# Altium PCB 2m_DBoard_TX.PcbDoc (part 1 of 5)
Units mm, origin at the board's own origin, x right, y up, seen from the top; angles counter-clockwise.
Board outline 63.5 x 139.7 mm, 12 copper layers (Top RF, AGND, Inner RF, AGND 2, AVDD, AVDD 2, DVDD 2, DVDD, GND 2, Signal, GND, Bottom Layer), stack 2.626 mm thick; 263 components, 212 nets, 1246 pads, 1554 vias.
Unrouted connection lines stored in the file: 414.
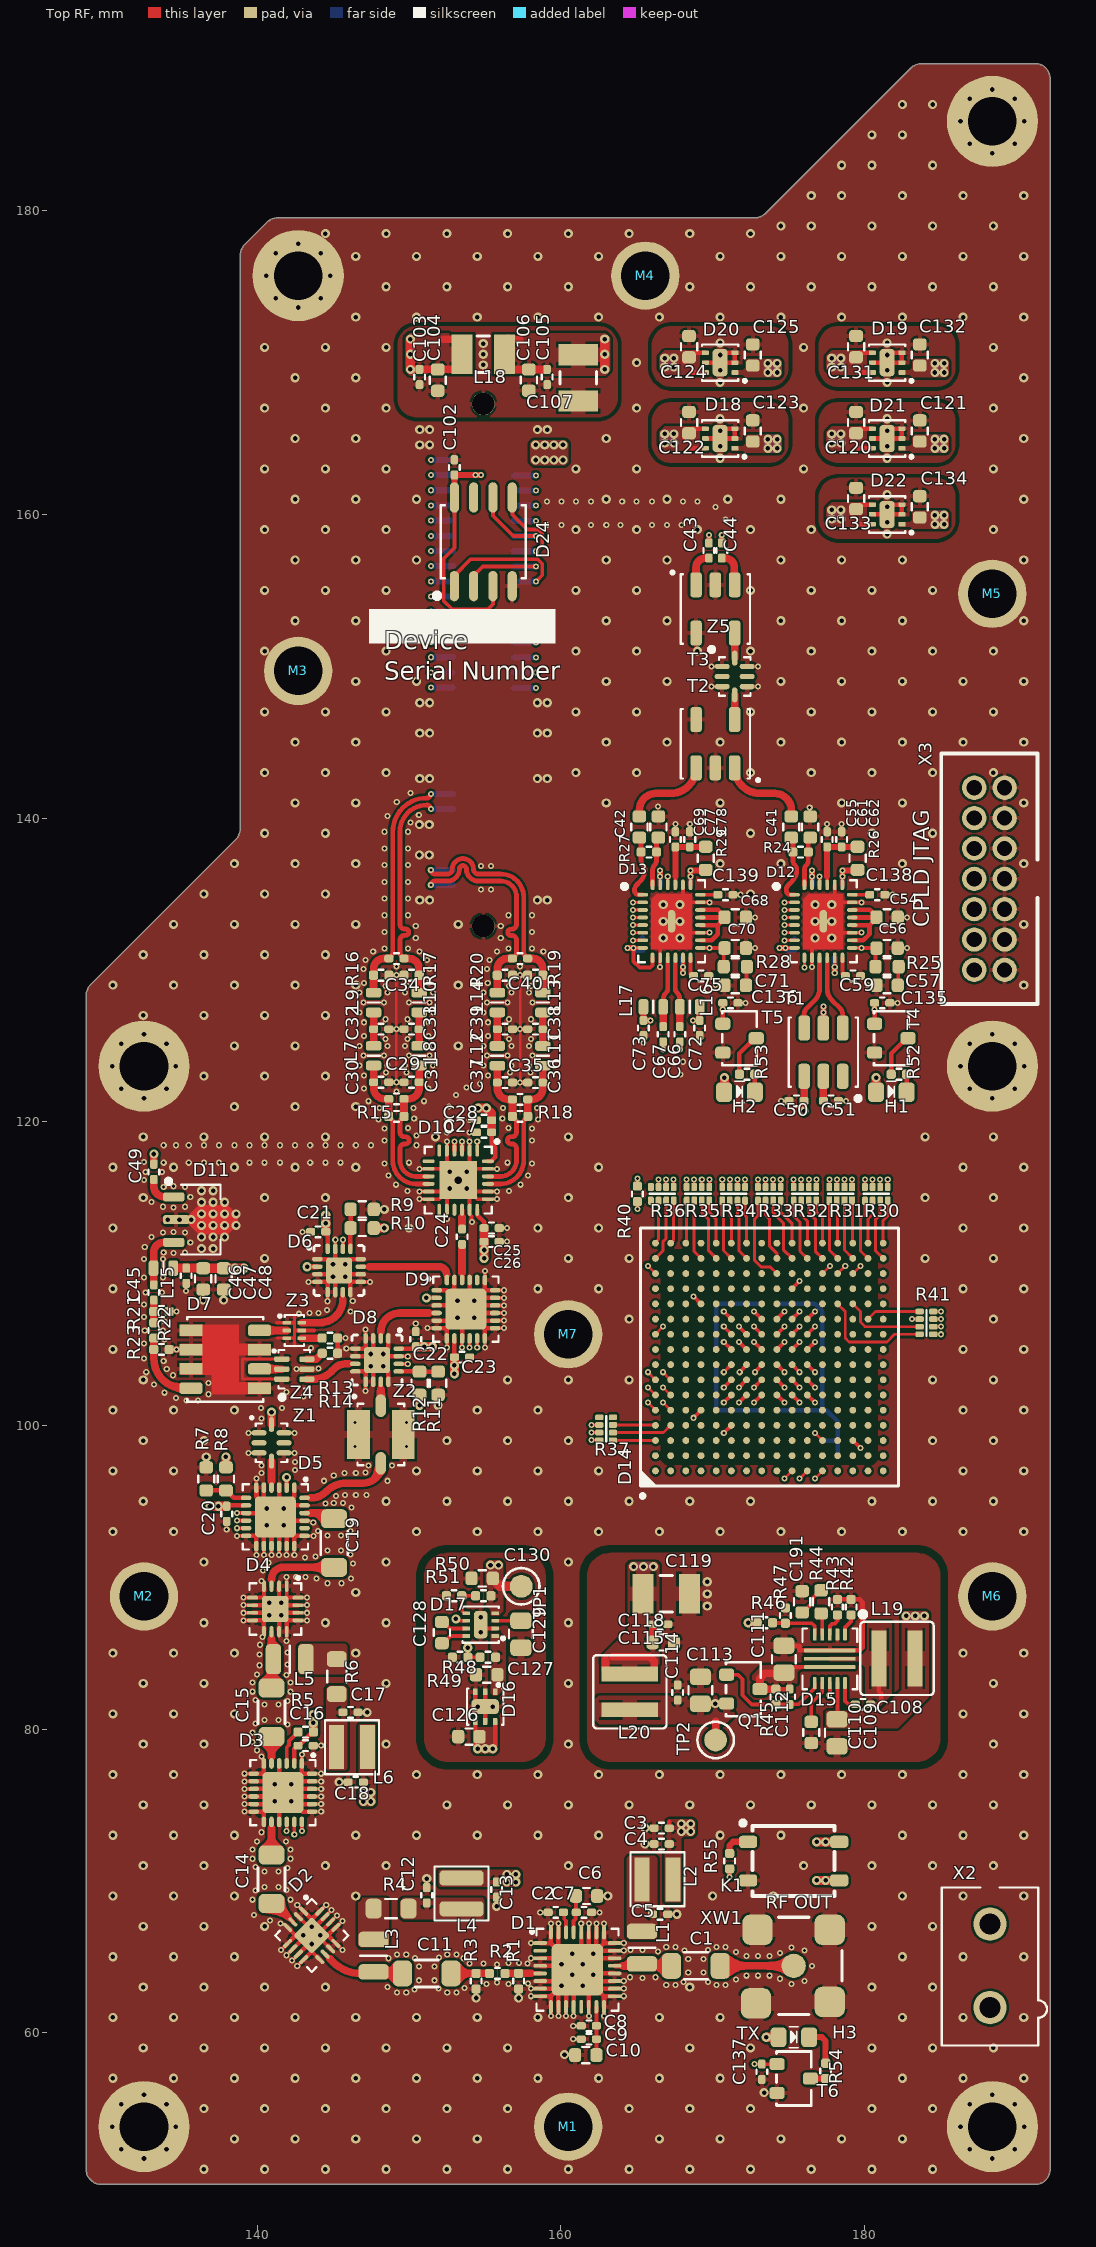
[diagram p0: Top RF view]
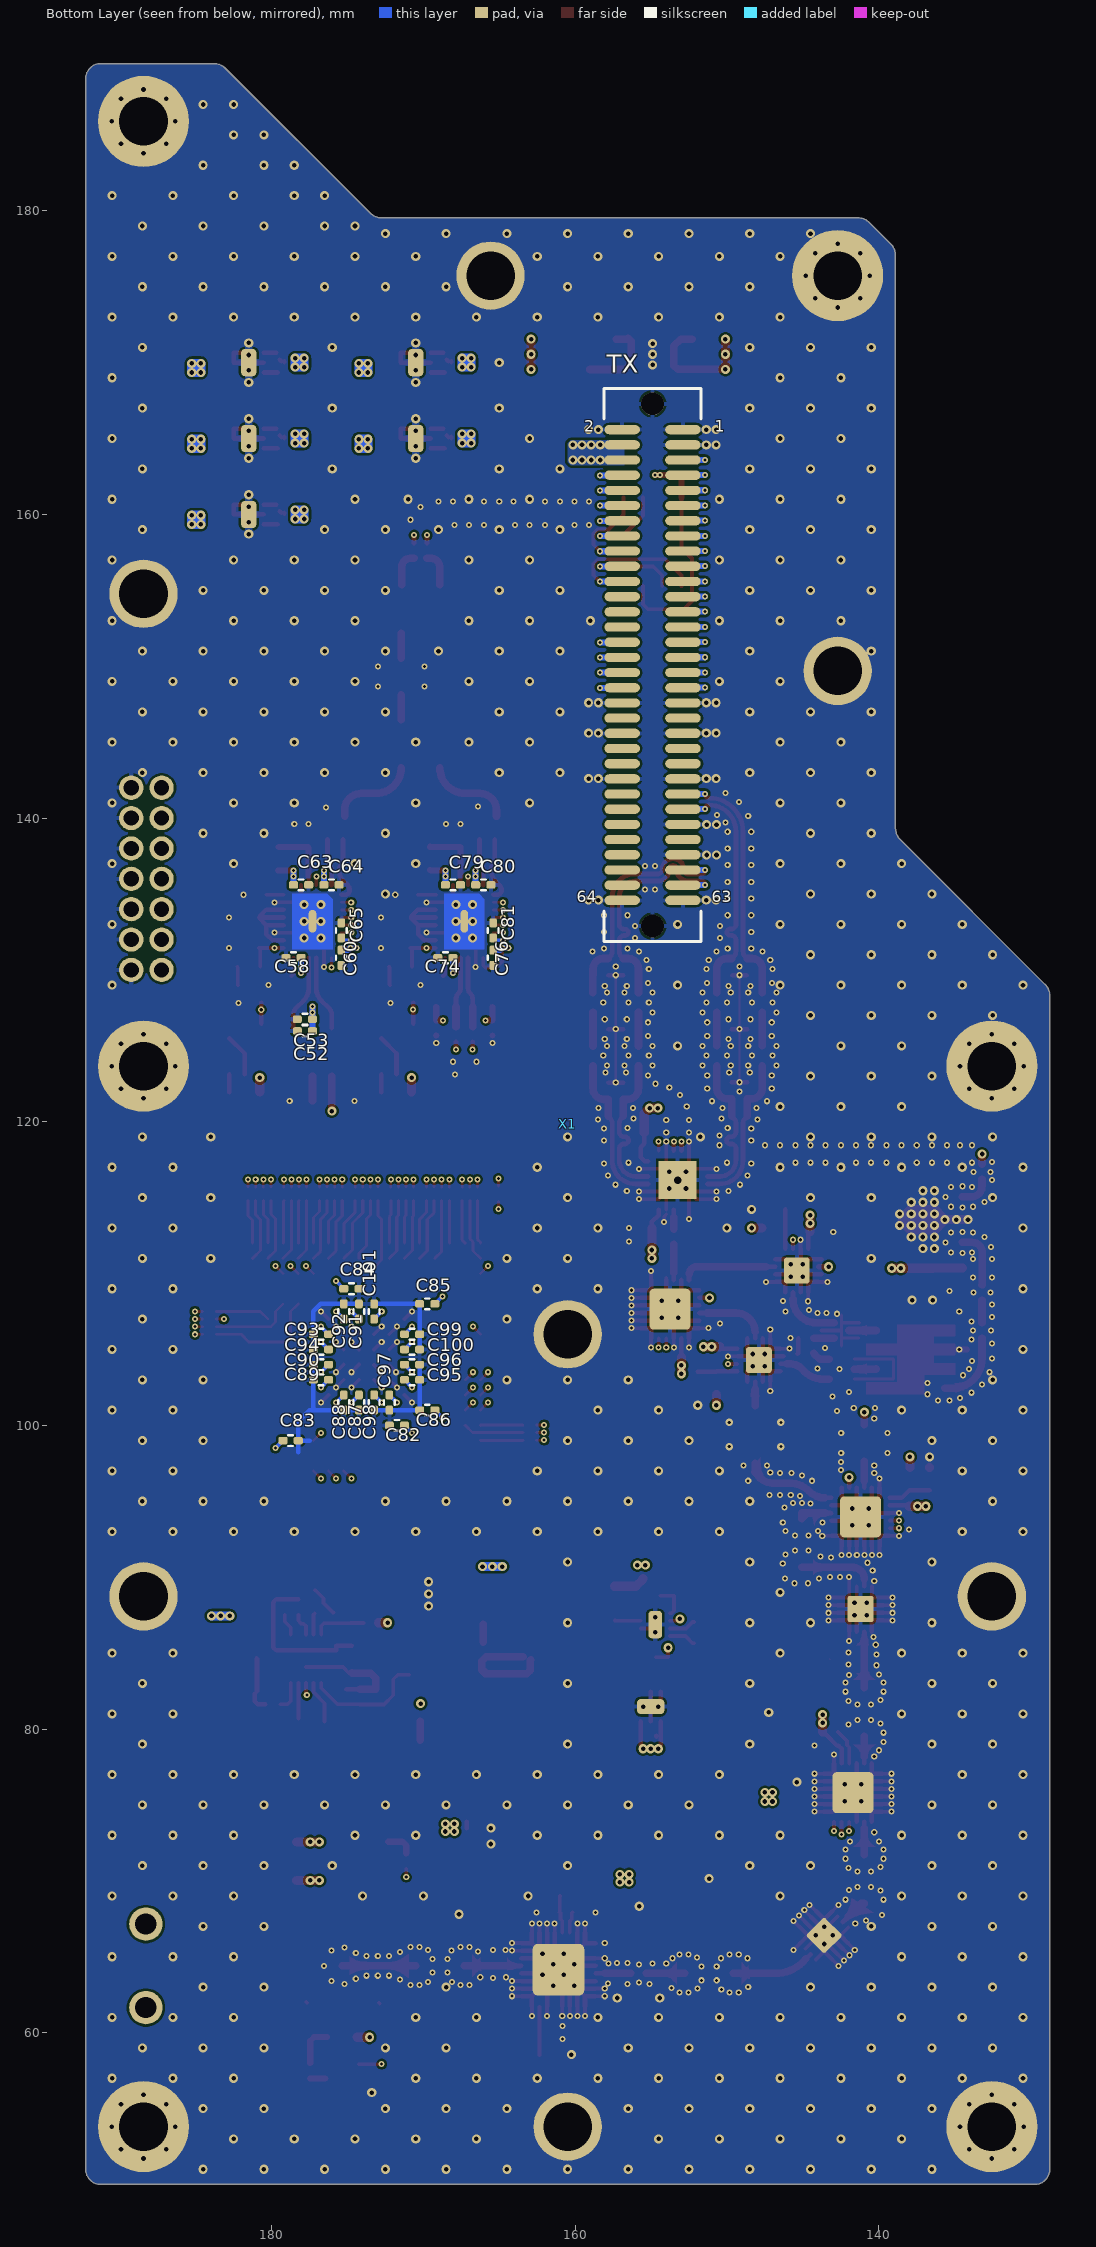
[diagram p1: Bottom Layer view, seen from below]
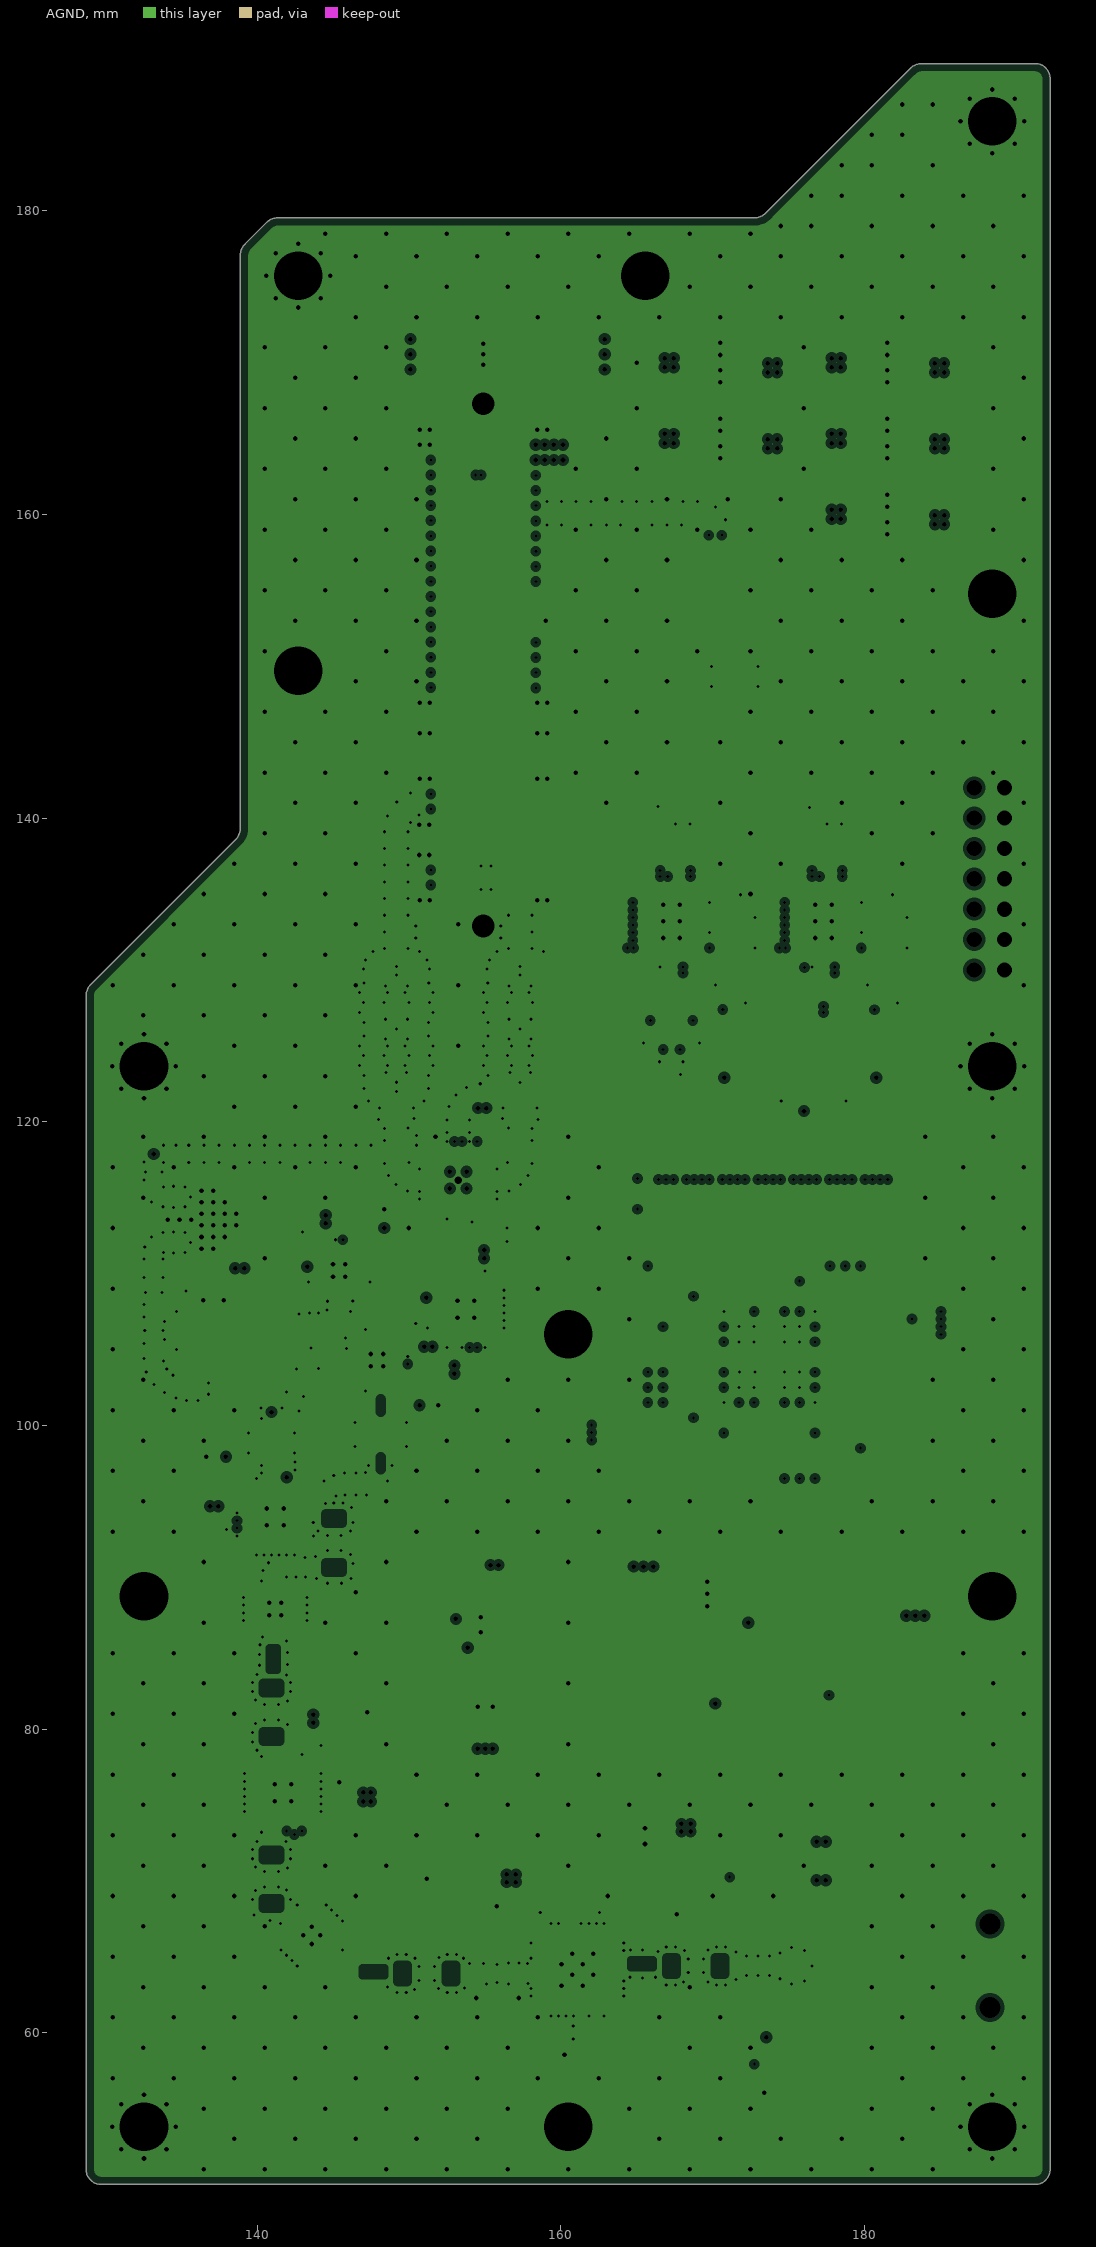
[diagram p2: AGND, clearances drawn from the general rule]
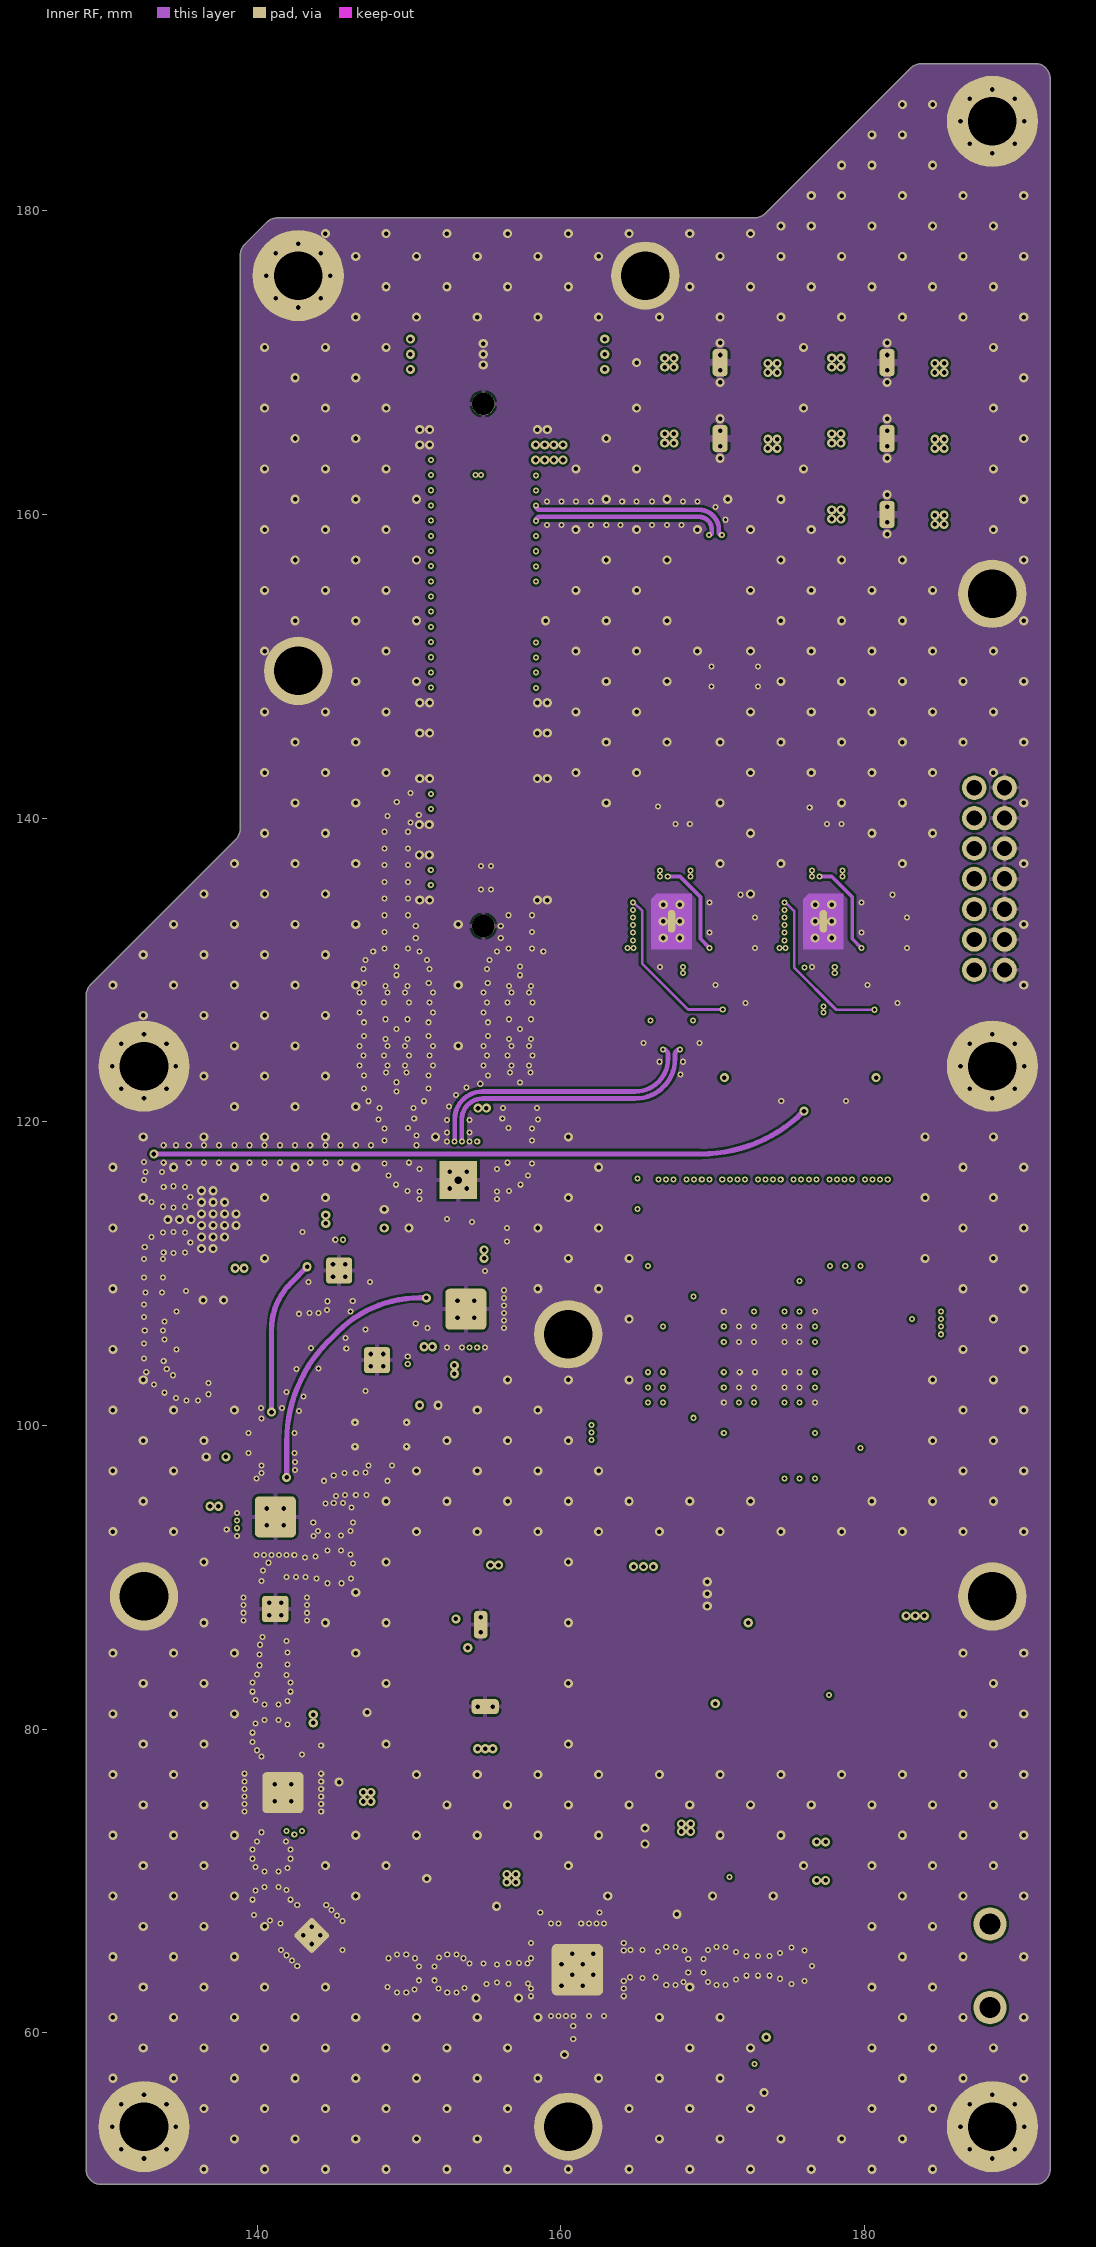
[diagram p3: Inner RF]
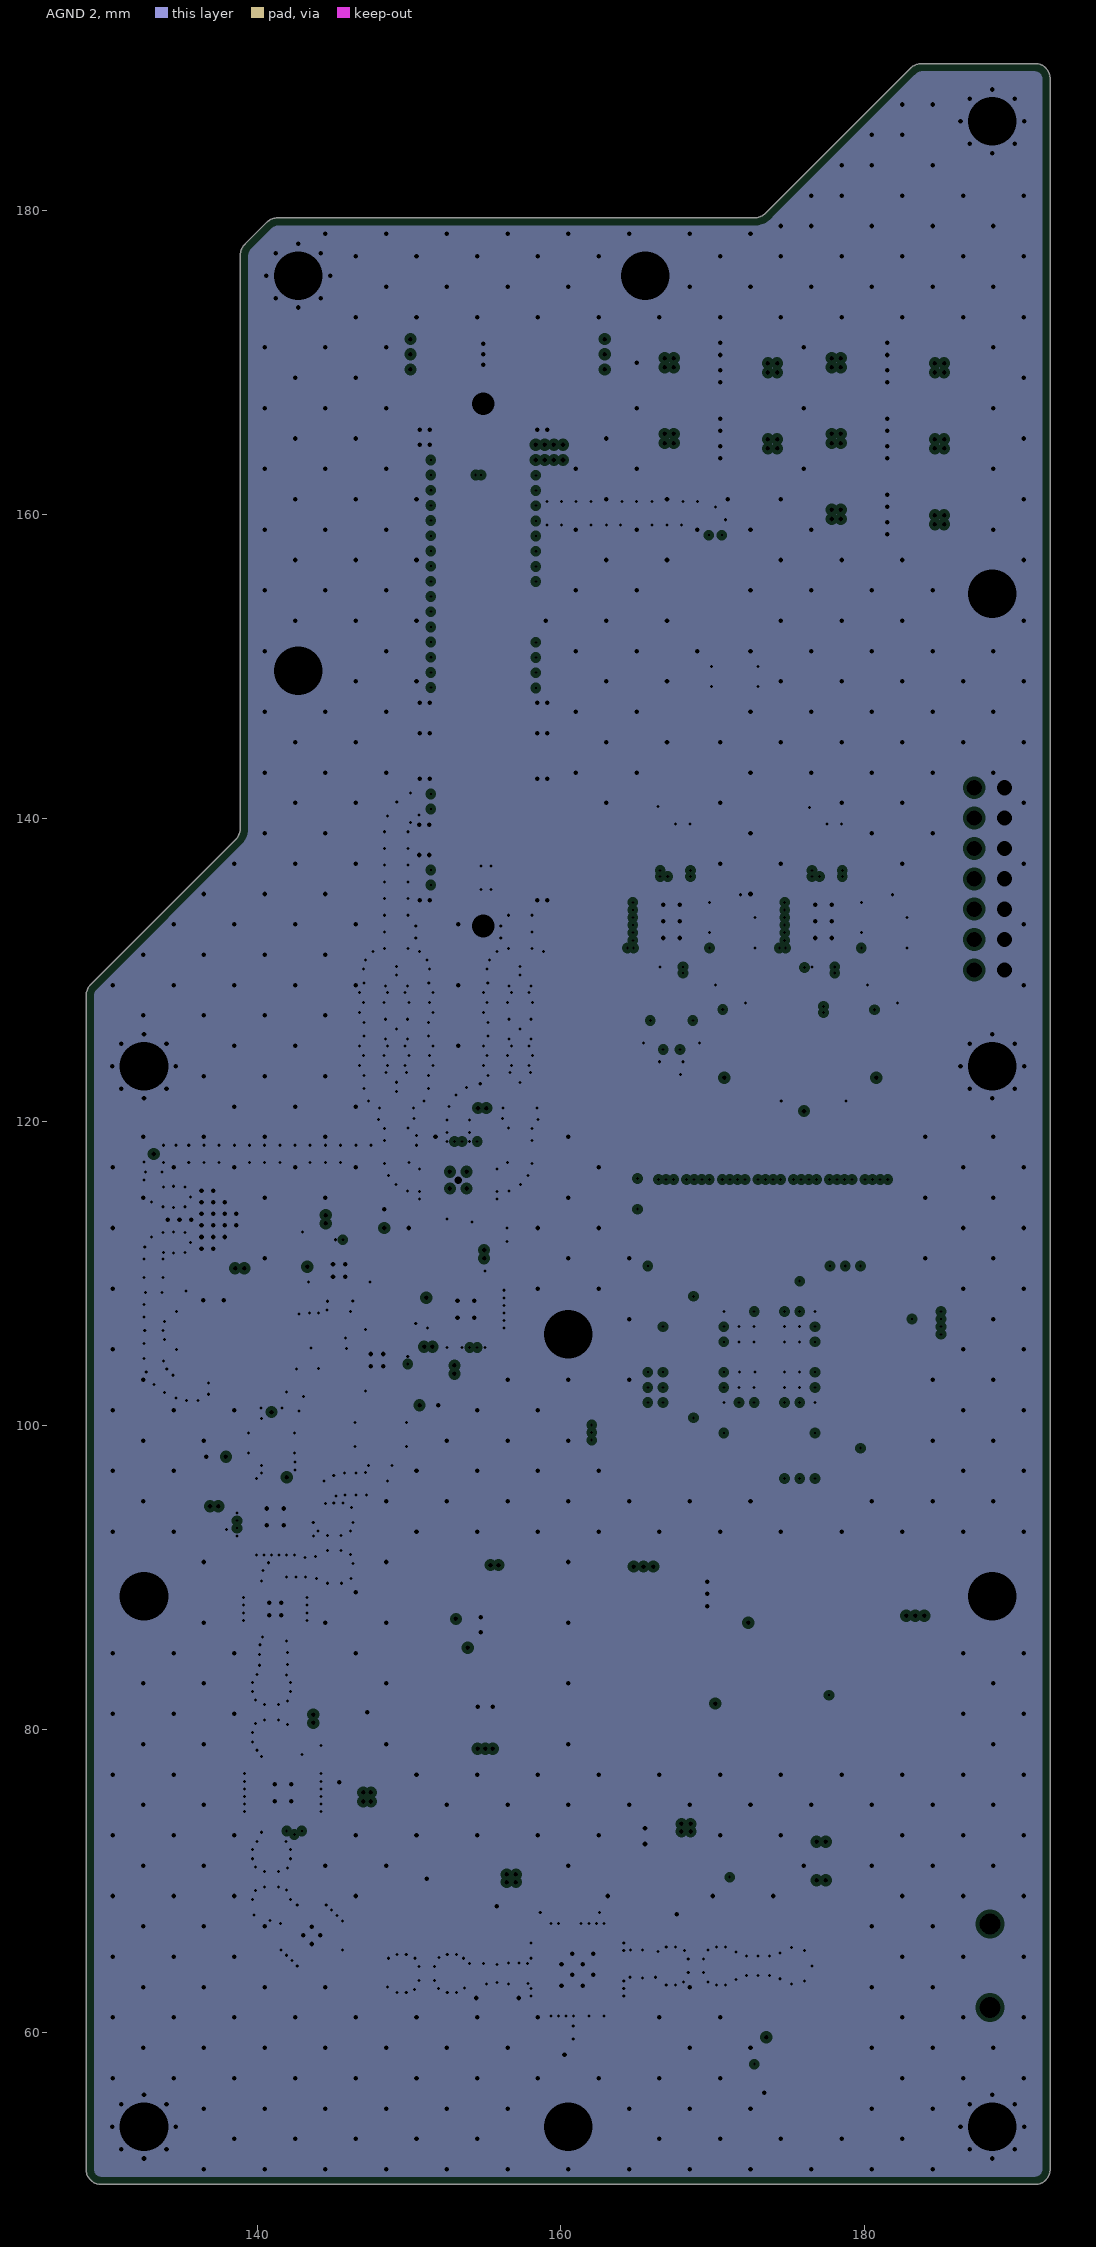
[diagram p4: AGND 2, clearances drawn from the general rule]
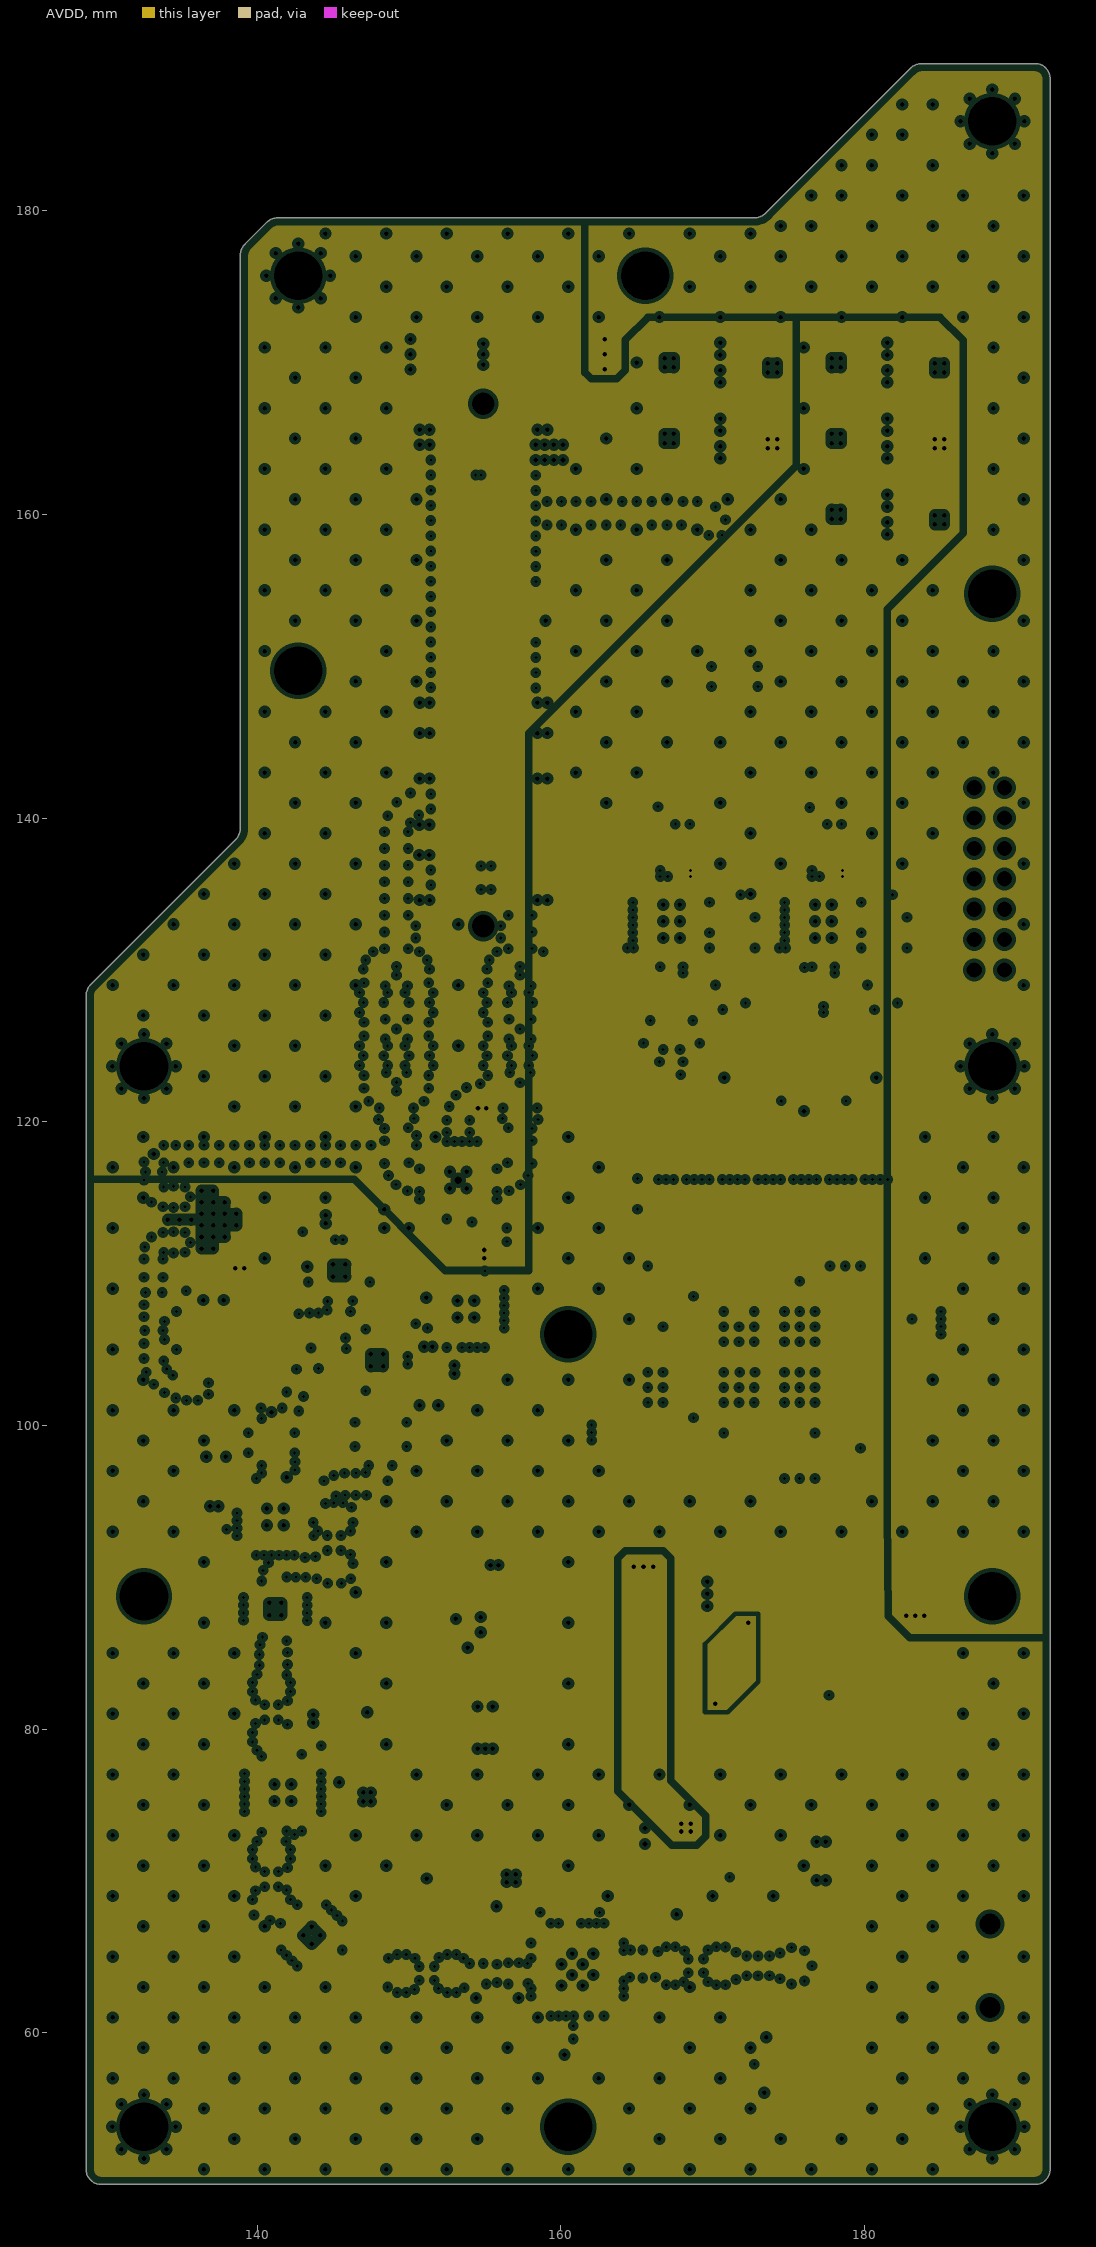
[diagram p5: AVDD, clearances drawn from the general rule]